# KiCad board panel.kicad_pcb (continued)
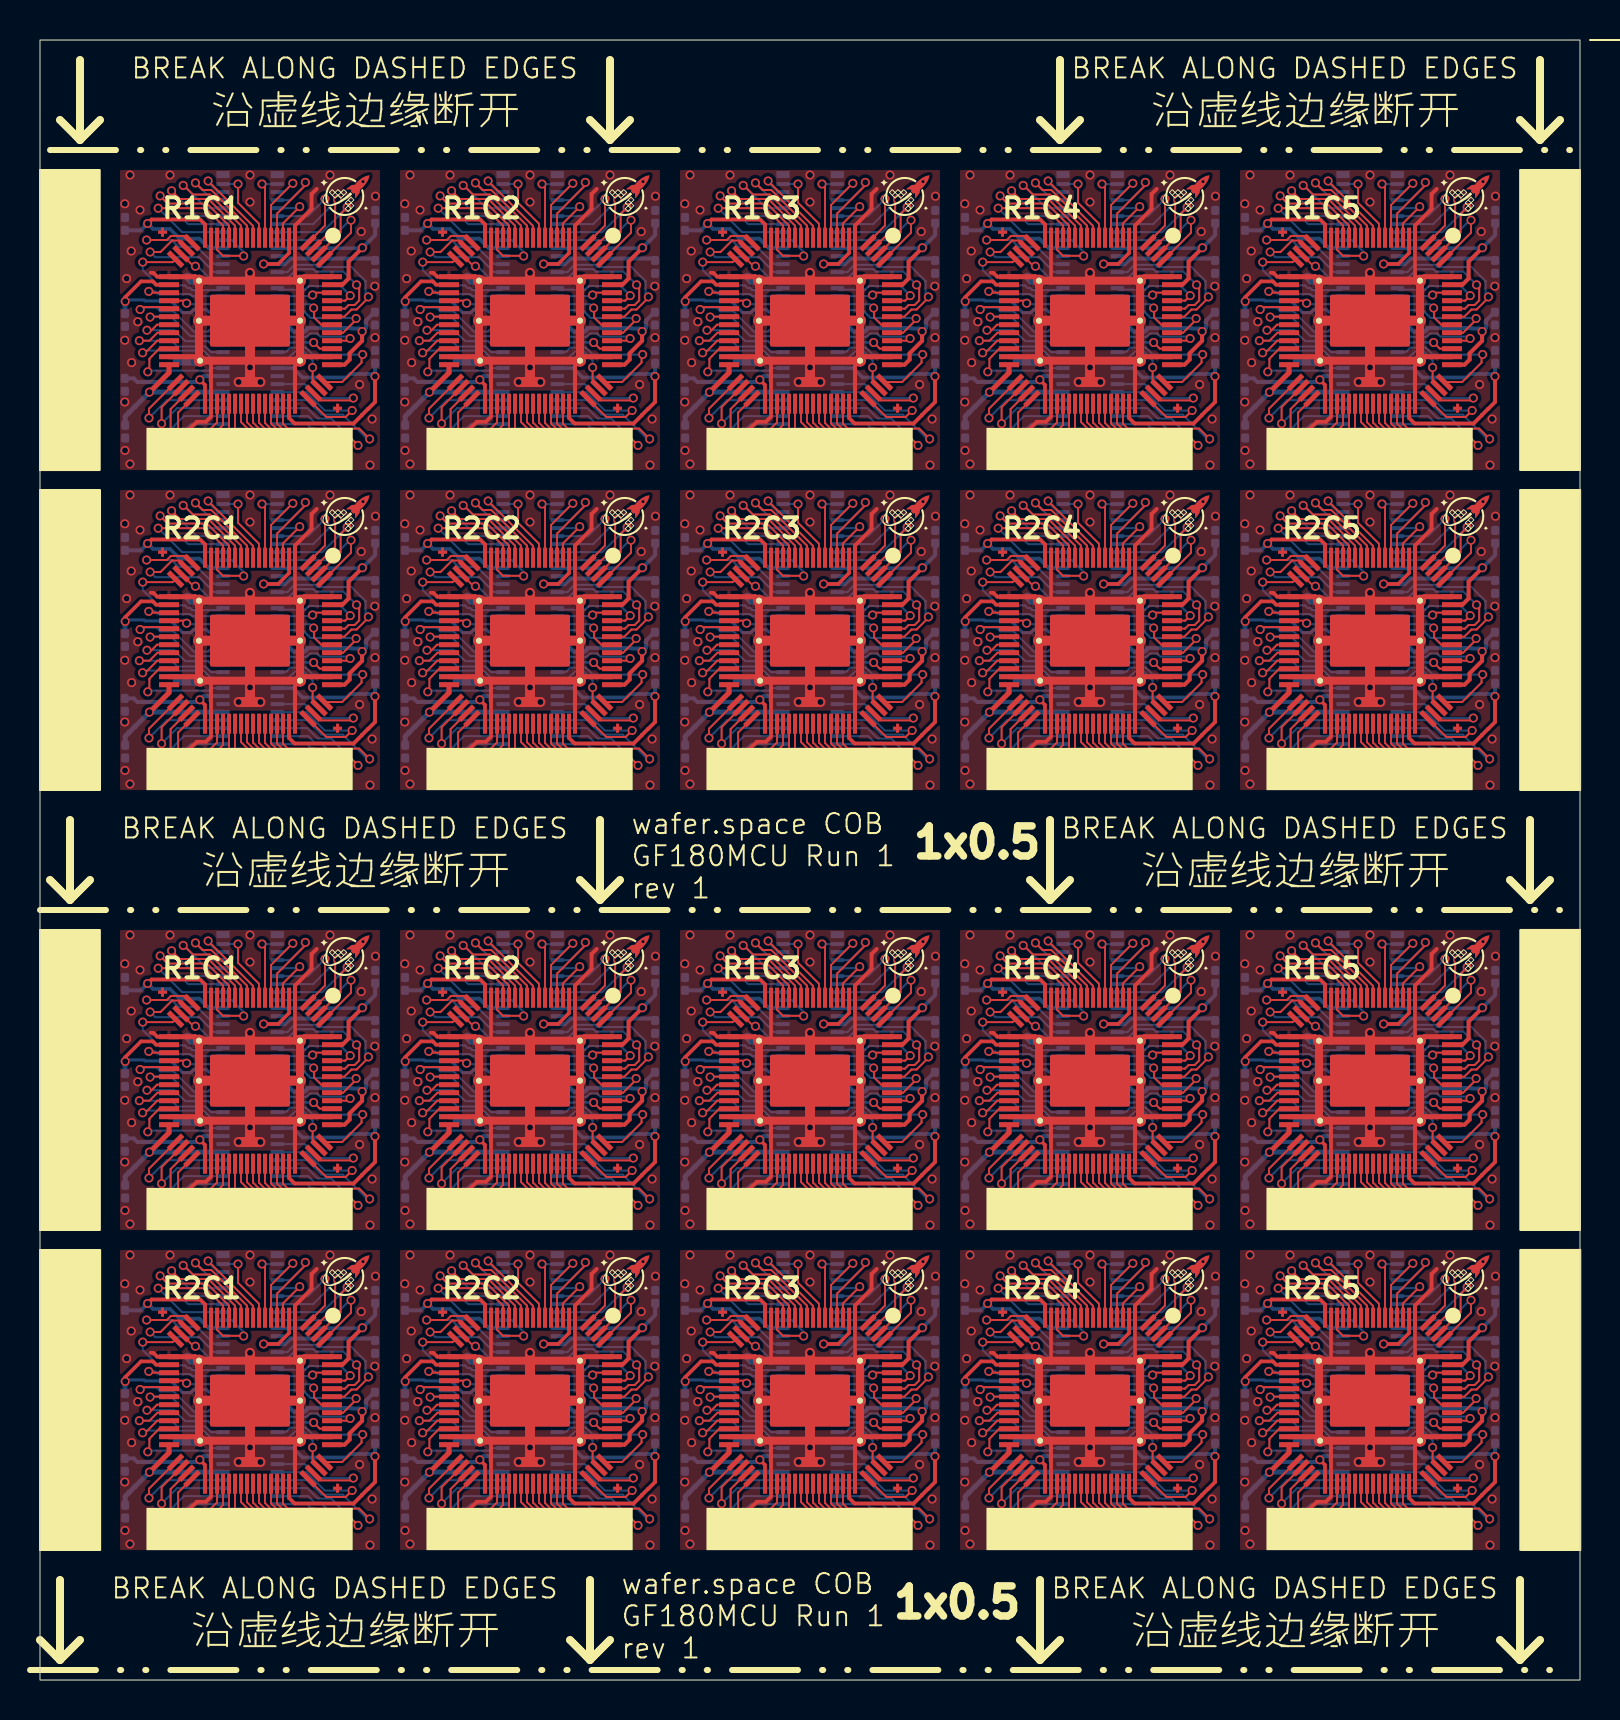
[diagram p0: board, top side]
## Routing (per net, layer and track width the routed paths; a pad name or vN(x,y) marks a point on that pad's centre or on a via; arc(x,y) is an arc through that point) (continued)
/bidir_43: length 125.5
  Top w0.1: 13.68,64.34 14.04,63.98 15.55,63.98 v1(15.66,64.1) ; 41.68,48.34 42.04,47.98 43.55,47.98 v1(43.66,48.1) ; v1(15.66,10.1) 15.55,9.98 14.04,9.98 13.68,10.34 ; 13.68,48.34 14.04,47.98 15.55,47.98 v1(15.66,48.1) ; v1(15.66,26.1) 15.55,25.98 14.04,25.98 13.68,26.34 ; v1(43.66,10.1) 43.55,9.98 42.04,9.98 41.68,10.34 ; U110.58 70.03,63.98 71.55,63.98 v1(71.66,64.1) ; v1(43.66,26.1) 43.55,25.98 42.04,25.98 41.68,26.34 ; v1(29.66,64.1) 29.55,63.98 28.04,63.98 27.68,64.34 ; v1(57.66,48.1) 57.55,47.98 56.04,47.98 55.68,48.34 ; v1(71.66,10.1) 71.55,9.98 70.03,9.98 U120.58 ; v1(57.66,26.1) 57.55,25.98 56.04,25.98 55.68,26.34 ; v1(71.66,26.1) 71.55,25.98 70.03,25.98 U110#2.58 ; v1(29.66,26.1) 29.55,25.98 28.04,25.98 27.68,26.34 ; 55.68,64.34 56.04,63.98 57.55,63.98 v1(57.66,64.1) ; v1(29.66,48.1) 29.55,47.98 28.04,47.98 27.68,48.34 ; 27.68,10.34 28.04,9.98 29.55,9.98 v1(29.66,10.1) ; U120#2.58 70.03,47.98 71.55,47.98 v1(71.66,48.1) ; 55.68,10.34 56.04,9.98 57.55,9.98 v1(57.66,10.1) ; 41.68,64.34 42.04,63.98 43.55,63.98 v1(43.66,64.1)
  Bottom w0.1: U107#2.26 55.24,64.8 55.93,64.1 v1(57.66,64.1) ; U105#2.26 41.24,64.8 41.93,64.1 v1(43.66,64.1) ; U103#2.26 27.24,26.8 27.93,26.1 v1(29.66,26.1) ; U107.26 55.24,26.8 55.93,26.1 v1(57.66,26.1) ; U113.26 27.24,48.8 27.93,48.1 v1(29.66,48.1) ; U111.26 13.24,48.8 13.93,48.1 v1(15.66,48.1) ; v1(71.66,48.1) 69.93,48.1 69.24,48.8 U119#2.26 ; U115#2.26 41.24,10.8 41.93,10.1 v1(43.66,10.1) ; U113#2.26 27.24,10.8 27.93,10.1 v1(29.66,10.1) ; U117#2.26 55.24,48.8 55.93,48.1 v1(57.66,48.1) ; U115.26 41.24,48.8 41.93,48.1 v1(43.66,48.1) ; v1(71.66,10.1) 69.93,10.1 69.24,10.8 U119.26 ; U103.26 27.24,64.8 27.93,64.1 v1(29.66,64.1) ; U101.26 13.24,26.8 13.93,26.1 v1(15.66,26.1) ; U105.26 41.24,26.8 41.93,26.1 v1(43.66,26.1) ; v1(71.66,64.1) 69.93,64.1 69.24,64.8 U109.26 ; U117.26 55.24,10.8 55.93,10.1 v1(57.66,10.1) ; v1(71.66,26.1) 69.93,26.1 69.24,26.8 U109#2.26 ; U101#2.26 13.24,64.8 13.93,64.1 v1(15.66,64.1) ; v1(15.66,10.1) 13.93,10.1 13.24,10.8 U111#2.26
/bidir_44: length 73
  Top w0.1: v1(69.63,49.62) 69.63,48.88 69.89,48.61 69.95,48.61 ; v1(69.63,11.62) 69.63,10.88 69.89,10.61 69.95,10.61 ; 27.95,26.61 27.89,26.61 27.63,26.88 v1(27.63,27.62) ; v1(27.63,65.62) 27.63,64.88 27.89,64.62 U104.59 ; U108#2.59 55.89,64.62 55.63,64.88 v1(55.63,65.62) ; v1(41.63,49.62) 41.63,48.88 41.89,48.61 41.95,48.61 ; v1(69.63,65.62) 69.63,64.88 69.89,64.62 U110.59 ; 13.95,10.61 13.89,10.61 13.63,10.88 v1(13.63,11.62) ; v1(69.63,27.62) 69.63,26.88 69.89,26.61 69.95,26.61 ; U106.59 41.89,64.62 41.63,64.88 v1(41.63,65.62) ; 55.95,10.61 55.89,10.61 55.63,10.88 v1(55.63,11.62) ; 27.95,10.61 27.89,10.61 27.63,10.88 v1(27.63,11.62) ; U102#2.59 13.89,64.62 13.63,64.88 v1(13.63,65.62) ; v1(55.63,27.62) 55.63,26.88 55.89,26.61 55.95,26.61 ; 41.95,10.61 41.89,10.61 41.63,10.88 v1(41.63,11.62) ; v1(13.63,49.62) 13.63,48.88 13.89,48.61 13.95,48.61 ; v1(13.63,27.62) 13.63,26.88 13.89,26.61 13.95,26.61 ; v1(55.63,49.62) 55.63,48.88 55.89,48.61 55.95,48.61 ; v1(41.63,27.62) 41.63,26.88 41.89,26.61 41.95,26.61 ; v1(27.63,49.62) 27.63,48.88 27.89,48.61 27.95,48.61
  Bottom w0.1: U113.23 26.32,50 26.75,50.42 27.19,50.42 27.63,49.98 v1(27.63,49.62) ; v1(41.63,49.62) 41.63,49.98 41.19,50.42 40.75,50.42 40.32,50 U115.23 ; U103.23 26.32,66 26.75,66.42 27.19,66.42 27.63,65.98 v1(27.63,65.62) ; v1(41.63,27.62) 41.63,27.98 41.19,28.42 40.75,28.42 40.32,28 U105.23 ; U117#2.23 54.32,50 54.75,50.42 55.19,50.42 55.63,49.98 v1(55.63,49.62) ; U119.23 68.33,12 68.75,12.42 69.19,12.42 69.63,11.98 v1(69.63,11.62) ; U109#2.23 68.33,28 68.75,28.42 69.19,28.42 69.63,27.98 v1(69.63,27.62) ; U101.23 12.32,28 12.75,28.42 13.19,28.42 13.63,27.98 v1(13.63,27.62) ; U107.23 54.32,28 54.75,28.42 55.19,28.42 55.63,27.98 v1(55.63,27.62) ; v1(41.63,65.62) 41.63,65.98 41.19,66.42 40.75,66.42 40.32,66 U105#2.23 ; U109.23 68.33,66 68.75,66.42 69.19,66.42 69.63,65.98 v1(69.63,65.62) ; U103#2.23 26.32,28 26.75,28.42 27.19,28.42 27.63,27.98 v1(27.63,27.62) ; U111#2.23 12.32,12 12.75,12.42 13.19,12.42 13.63,11.98 v1(13.63,11.62) ; U113#2.23 26.32,12 26.75,12.42 27.19,12.42 27.63,11.98 v1(27.63,11.62) ; U107#2.23 54.32,66 54.75,66.42 55.19,66.42 55.63,65.98 v1(55.63,65.62) ; U111.23 12.32,50 12.75,50.42 13.19,50.42 13.63,49.98 v1(13.63,49.62) ; v1(13.63,65.62) 13.63,65.98 13.19,66.42 12.75,66.42 12.32,66 U101#2.23 ; U117.23 54.32,12 54.75,12.42 55.19,12.42 55.63,11.98 v1(55.63,11.62) ; v1(41.63,11.62) 41.63,11.98 41.19,12.42 40.75,12.42 40.32,12 U115#2.23 ; U119#2.23 68.33,50 68.75,50.42 69.19,50.42 69.63,49.98 v1(69.63,49.62)
/bidir_45: length 143.7
  Top w0.1: v1(72.13,28.28) 72.08,28.22 72.08,27.88 71.11,26.9 70.33,26.9 70.31,26.89 U110#2.60 ; v1(72.13,12.28) 72.08,12.22 72.08,11.88 71.11,10.9 70.33,10.9 70.31,10.89 U120.60 ; v1(30.13,66.28) 30.08,66.22 30.08,65.88 29.1,64.9 28.32,64.9 28.32,64.89 U104.60 ; U112#2.60 14.32,10.89 14.32,10.9 15.1,10.9 16.08,11.88 16.08,12.22 v1(16.13,12.28) ; v1(44.13,66.28) 44.08,66.22 44.08,65.88 43.1,64.9 42.32,64.9 42.32,64.89 U106.60 ; v1(58.13,66.28) 58.08,66.22 58.08,65.88 57.1,64.9 56.32,64.9 56.32,64.89 U108#2.60 ; U116#2.60 42.32,10.89 42.32,10.9 43.1,10.9 44.08,11.88 44.08,12.22 v1(44.13,12.28) ; U104#2.60 28.32,26.89 28.32,26.9 29.1,26.9 30.08,27.88 30.08,28.22 v1(30.13,28.28) ; U118.60 56.32,48.89 56.32,48.9 57.1,48.9 58.08,49.88 58.08,50.22 v1(58.13,50.28) ; v1(44.13,28.28) 44.08,28.22 44.08,27.88 43.1,26.9 42.32,26.9 42.32,26.89 U106#2.60 ; U114#2.60 28.32,10.89 28.32,10.9 29.1,10.9 30.08,11.88 30.08,12.22 v1(30.13,12.28) ; v1(72.13,66.28) 72.08,66.22 72.08,65.88 71.11,64.9 70.33,64.9 70.31,64.89 U110.60 ; v1(58.13,28.28) 58.08,28.22 58.08,27.88 57.1,26.9 56.32,26.9 56.32,26.89 U108.60 ; v1(72.13,50.28) 72.08,50.22 72.08,49.88 71.11,48.9 70.33,48.9 70.31,48.89 U120#2.60 ; U102#2.60 14.32,64.89 14.32,64.9 15.1,64.9 16.08,65.88 16.08,66.22 v1(16.13,66.28) ; v1(44.13,50.28) 44.08,50.22 44.08,49.88 43.1,48.9 42.32,48.9 42.32,48.89 U116.60 ; v1(16.13,50.28) 16.08,50.22 16.08,49.88 15.1,48.9 14.32,48.9 14.32,48.89 U112.60 ; v1(58.13,12.28) 58.08,12.22 58.08,11.88 57.1,10.9 56.32,10.9 56.32,10.89 U118#2.60 ; v1(30.13,50.28) 30.08,50.22 30.08,49.88 29.1,48.9 28.32,48.9 28.32,48.89 U114.60 ; U102.60 14.32,26.89 14.32,26.9 15.1,26.9 16.08,27.88 16.08,28.22 v1(16.13,28.28)
  Bottom w0.1: v1(16.13,28.28) 13.63,28.28 13.3,28.61 13.28,28.61 13.27,28.62 12.52,28.62 12.29,28.39 11.87,28.39 ; v1(72.13,12.28) 69.64,12.28 69.3,12.61 69.28,12.61 69.27,12.62 68.52,12.62 68.3,12.39 67.87,12.39 ; v1(16.13,50.28) 13.63,50.28 13.3,50.61 13.28,50.61 13.27,50.62 12.52,50.62 12.29,50.39 11.87,50.39 ; 67.87,50.39 68.3,50.39 68.52,50.62 69.27,50.62 69.28,50.61 69.3,50.61 69.64,50.28 v1(72.13,50.28) ; U105#2.22 40.29,66.4 40.52,66.62 41.27,66.62 41.28,66.61 41.3,66.61 41.63,66.28 v1(44.13,66.28) ; U101#2.22 12.29,66.4 12.52,66.62 13.27,66.62 13.28,66.61 13.3,66.61 13.63,66.28 v1(16.13,66.28) ; 67.87,28.39 68.3,28.39 68.52,28.62 69.27,28.62 69.28,28.61 69.3,28.61 69.64,28.28 v1(72.13,28.28) ; v1(44.13,50.28) 41.63,50.28 41.3,50.61 41.28,50.61 41.27,50.62 40.52,50.62 40.29,50.39 39.87,50.39 ; 39.87,12.39 40.29,12.39 40.52,12.62 41.27,12.62 41.28,12.61 41.3,12.61 41.63,12.28 v1(44.13,12.28) ; 25.87,28.39 26.29,28.39 26.52,28.62 27.27,28.62 27.28,28.61 27.3,28.61 27.63,28.28 v1(30.13,28.28) ; 11.87,12.39 12.29,12.39 12.52,12.62 13.27,12.62 13.28,12.61 13.3,12.61 13.63,12.28 v1(16.13,12.28) ; v1(58.13,50.28) 55.63,50.28 55.3,50.61 55.28,50.61 55.27,50.62 54.52,50.62 54.29,50.39 53.87,50.39 ; v1(58.13,28.28) 55.63,28.28 55.3,28.61 55.28,28.61 55.27,28.62 54.52,28.62 54.29,28.39 53.87,28.39 ; v1(58.13,12.28) 55.63,12.28 55.3,12.61 55.28,12.61 55.27,12.62 54.52,12.62 54.29,12.39 53.87,12.39 ; v1(58.13,66.28) 55.63,66.28 55.3,66.61 55.28,66.61 55.27,66.62 54.52,66.62 54.29,66.4 U107#2.22 ; v1(30.13,12.28) 27.63,12.28 27.3,12.61 27.28,12.61 27.27,12.62 26.52,12.62 26.29,12.39 25.87,12.39 ; v1(30.13,50.28) 27.63,50.28 27.3,50.61 27.28,50.61 27.27,50.62 26.52,50.62 26.29,50.39 25.87,50.39 ; v1(44.13,28.28) 41.63,28.28 41.3,28.61 41.28,28.61 41.27,28.62 40.52,28.62 40.29,28.39 39.87,28.39 ; U109.22 68.3,66.4 68.52,66.62 69.27,66.62 69.28,66.61 69.3,66.61 69.64,66.28 v1(72.13,66.28) ; U103.22 26.29,66.4 26.52,66.62 27.27,66.62 27.28,66.61 27.3,66.61 27.63,66.28 v1(30.13,66.28)
/clk: length 131.9
  Top w0.1: v1(57.55,34.99) 57.55,34.36 U108.1 ; U108#2.1 57.55,72.37 v1(57.55,72.99) ; U110#2.1 71.55,34.36 v1(71.55,34.99) ; v1(29.55,34.99) 29.55,34.36 U104#2.1 ; v1(57.55,18.99) 57.55,18.36 U118#2.1 ; U112.1 15.55,56.36 v1(15.55,56.99) ; v1(71.55,56.99) 71.55,56.36 U120#2.1 ; v1(15.55,72.99) 15.55,72.37 U102#2.1 ; U114.1 29.55,56.36 v1(29.55,56.99) ; v1(43.55,34.99) 43.55,34.36 U106#2.1 ; U106.1 43.55,72.37 v1(43.55,72.99) ; v1(29.55,18.99) 29.55,18.36 U114#2.1 ; U112#2.1 15.55,18.36 v1(15.55,18.99) ; v1(29.55,72.99) 29.55,72.37 U104.1 ; v1(15.55,34.99) 15.55,34.36 U102.1 ; v1(43.55,56.99) 43.55,56.36 U116.1 ; v1(57.55,56.99) 57.55,56.36 U118.1 ; v1(71.55,72.99) 71.55,72.37 U110.1 ; U116#2.1 43.55,18.36 v1(43.55,18.99) ; U120.1 71.55,18.36 v1(71.55,18.99)
  Bottom w0.1: U113#2.8 28.49,18 29.49,18.99 v1(29.55,18.99) ; v1(29.55,34.99) 29.49,34.99 28.49,34 U103#2.8 ; v1(43.55,34.99) 43.49,34.99 42.49,34 U105.8 ; U115#2.8 42.49,18 43.49,18.99 v1(43.55,18.99) ; U115.8 42.49,56 43.49,56.99 v1(43.55,56.99) ; v1(57.55,34.99) 57.49,34.99 56.49,34 U107.8 ; v1(15.55,34.99) 15.49,34.99 14.49,34 U101.8 ; U111#2.8 14.49,18 15.49,18.99 v1(15.55,18.99) ; U103.8 28.49,72 29.49,72.99 v1(29.55,72.99) ; v1(57.55,72.99) 57.49,72.99 56.49,72 U107#2.8 ; v1(71.55,18.99) 71.49,18.99 70.5,18 U119.8 ; v1(43.55,72.99) 43.49,72.99 42.49,72 U105#2.8 ; v1(57.55,56.99) 57.49,56.99 56.49,56 U117#2.8 ; U117.8 56.49,18 57.49,18.99 v1(57.55,18.99) ; v1(71.55,56.99) 71.49,56.99 70.5,56 U119#2.8 ; v1(15.55,56.99) 15.49,56.99 14.49,56 U111.8 ; v1(71.55,34.99) 71.49,34.99 70.5,34 U109#2.8 ; U113.8 28.49,56 29.49,56.99 v1(29.55,56.99) ; v1(15.55,72.99) 15.49,72.99 14.49,72 U101#2.8 ; v1(71.55,72.99) 71.49,72.99 70.5,72 U109.8
/in_0: length 163.7
  Top w0.1: v1(16.42,15.15) 16.42,15.11 15.83,14.53 15.57,14.53 15.21,14.17 U112#2.67 ; U120.67 71.22,14.17 71.58,14.53 71.83,14.53 72.42,15.11 v1(72.42,15.15) ; v1(30.42,53.15) 30.42,53.11 29.83,52.53 29.57,52.53 29.21,52.17 U114.67 ; v1(72.42,69.15) 72.42,69.11 71.83,68.53 71.58,68.53 71.22,68.16 U110.67 ; U112.67 15.21,52.17 15.57,52.53 15.83,52.53 16.42,53.11 v1(16.42,53.15) ; v1(72.42,31.15) 72.42,31.11 71.83,30.53 71.58,30.53 71.22,30.17 U110#2.67 ; v1(58.42,15.15) 58.42,15.11 57.83,14.53 57.57,14.53 57.21,14.17 U118#2.67 ; U108.67 57.21,30.17 57.57,30.53 57.83,30.53 58.42,31.11 v1(58.42,31.15) ; v1(16.42,69.15) 16.42,69.11 15.83,68.53 15.57,68.53 15.21,68.16 U102#2.67 ; U104#2.67 29.21,30.17 29.57,30.53 29.83,30.53 30.42,31.11 v1(30.42,31.15) ; U118.67 57.21,52.17 57.57,52.53 57.83,52.53 58.42,53.11 v1(58.42,53.15) ; U114#2.67 29.21,14.17 29.57,14.53 29.83,14.53 30.42,15.11 v1(30.42,15.15) ; U104.67 29.21,68.16 29.57,68.53 29.83,68.53 30.42,69.11 v1(30.42,69.15) ; U108#2.67 57.21,68.16 57.57,68.53 57.83,68.53 58.42,69.11 v1(58.42,69.15) ; v1(44.42,53.15) 44.42,53.11 43.83,52.53 43.57,52.53 43.21,52.17 U116.67 ; v1(44.42,31.15) 44.42,31.11 43.83,30.53 43.57,30.53 43.21,30.17 U106#2.67 ; U102.67 15.21,30.17 15.57,30.53 15.83,30.53 16.42,31.11 v1(16.42,31.15) ; v1(72.42,53.15) 72.42,53.11 71.83,52.53 71.58,52.53 71.22,52.17 U120#2.67 ; v1(44.42,15.15) 44.42,15.11 43.83,14.53 43.57,14.53 43.21,14.17 U116#2.67 ; U106.67 43.21,68.16 43.57,68.53 43.83,68.53 44.42,69.11 v1(44.42,69.15)
  Bottom w0.1: 53.87,16.39 54.37,16.39 54.73,16.76 55.74,16.76 55.85,16.65 57.57,16.65 58.28,15.94 58.28,15.29 v1(58.42,15.15) 58.42,15.34 ; 16.42,15.34 v1(16.42,15.15) 16.28,15.29 16.28,15.94 15.57,16.65 13.85,16.65 13.74,16.76 12.73,16.76 12.37,16.39 11.87,16.39 ; U105#2.12 40.37,70.4 40.73,70.76 41.74,70.76 41.85,70.65 43.57,70.65 44.28,69.94 44.28,69.29 v1(44.42,69.15) 44.42,69.34 ; U103.12 26.37,70.4 26.73,70.76 27.74,70.76 27.85,70.65 29.57,70.65 30.28,69.94 30.28,69.29 v1(30.42,69.15) 30.42,69.34 ; 39.87,16.39 40.37,16.39 40.73,16.76 41.74,16.76 41.85,16.65 43.57,16.65 44.28,15.94 44.28,15.29 v1(44.42,15.15) 44.42,15.34 ; 67.87,16.39 68.37,16.39 68.73,16.76 69.74,16.76 69.85,16.65 71.57,16.65 72.28,15.94 72.28,15.29 v1(72.42,15.15) 72.42,15.34 ; 16.42,31.34 v1(16.42,31.15) 16.28,31.29 16.28,31.94 15.57,32.65 13.85,32.65 13.74,32.76 12.73,32.76 12.37,32.39 11.87,32.39 ; 72.42,53.34 v1(72.42,53.15) 72.28,53.29 72.28,53.94 71.57,54.65 69.85,54.65 69.74,54.76 68.73,54.76 68.37,54.39 67.87,54.39 ; 53.87,54.39 54.37,54.39 54.73,54.76 55.74,54.76 55.85,54.65 57.57,54.65 58.28,53.94 58.28,53.29 v1(58.42,53.15) 58.42,53.34 ; 39.87,32.39 40.37,32.39 40.73,32.76 41.74,32.76 41.85,32.65 43.57,32.65 44.28,31.94 44.28,31.29 v1(44.42,31.15) 44.42,31.34 ; 16.42,69.34 v1(16.42,69.15) 16.28,69.29 16.28,69.94 15.57,70.65 13.85,70.65 13.74,70.76 12.73,70.76 12.37,70.4 U101#2.12 ; 25.87,32.39 26.37,32.39 26.73,32.76 27.74,32.76 27.85,32.65 29.57,32.65 30.28,31.94 30.28,31.29 v1(30.42,31.15) 30.42,31.34 ; 39.87,54.39 40.37,54.39 40.73,54.76 41.74,54.76 41.85,54.65 43.57,54.65 44.28,53.94 44.28,53.29 v1(44.42,53.15) 44.42,53.34 ; U109.12 68.37,70.4 68.73,70.76 69.74,70.76 69.85,70.65 71.57,70.65 72.28,69.94 72.28,69.29 v1(72.42,69.15) 72.42,69.34 ; 16.42,53.34 v1(16.42,53.15) 16.28,53.29 16.28,53.94 15.57,54.65 13.85,54.65 13.74,54.76 12.73,54.76 12.37,54.39 11.87,54.39 ; U107#2.12 54.37,70.4 54.73,70.76 55.74,70.76 55.85,70.65 57.57,70.65 58.28,69.94 58.28,69.29 v1(58.42,69.15) 58.42,69.34 ; 25.87,16.39 26.37,16.39 26.73,16.76 27.74,16.76 27.85,16.65 29.57,16.65 30.28,15.94 30.28,15.29 v1(30.42,15.15) 30.42,15.34 ; 72.42,31.34 v1(72.42,31.15) 72.28,31.29 72.28,31.94 71.57,32.65 69.85,32.65 69.74,32.76 68.73,32.76 68.37,32.39 67.87,32.39 ; 53.87,32.39 54.37,32.39 54.73,32.76 55.74,32.76 55.85,32.65 57.57,32.65 58.28,31.94 58.28,31.29 v1(58.42,31.15) 58.42,31.34 ; 25.87,54.39 26.37,54.39 26.73,54.76 27.74,54.76 27.85,54.65 29.57,54.65 30.28,53.94 30.28,53.29 v1(30.42,53.15) 30.42,53.34
/in_1: length 137.8
  Top w0.1: v1(29.83,53.76) 29.85,53.76 29.96,53.64 29.96,52.98 29.73,52.75 29.43,52.75 29.25,52.56 U114.68 ; v1(15.83,53.76) 15.85,53.76 15.96,53.64 15.96,52.98 15.73,52.75 15.43,52.75 15.25,52.56 U112.68 ; U120#2.68 71.25,52.56 71.43,52.75 71.73,52.75 71.96,52.98 71.96,53.64 71.85,53.76 v1(71.83,53.76) ; U116.68 43.25,52.56 43.43,52.75 43.73,52.75 43.96,52.98 43.96,53.64 43.85,53.76 v1(43.83,53.76) ; U118.68 57.25,52.56 57.43,52.75 57.73,52.75 57.96,52.98 57.96,53.64 57.85,53.76 v1(57.83,53.76) ; v1(29.83,15.76) 29.85,15.76 29.96,15.64 29.96,14.98 29.73,14.75 29.43,14.75 29.25,14.56 U114#2.68 ; U106.68 43.25,68.56 43.43,68.75 43.73,68.75 43.96,68.98 43.96,69.64 43.85,69.76 v1(43.83,69.76) ; U104.68 29.25,68.56 29.43,68.75 29.73,68.75 29.96,68.98 29.96,69.64 29.85,69.76 v1(29.83,69.76) ; v1(15.83,15.76) 15.85,15.76 15.96,15.64 15.96,14.98 15.73,14.75 15.43,14.75 15.25,14.56 U112#2.68 ; U120.68 71.25,14.56 71.43,14.75 71.73,14.75 71.96,14.98 71.96,15.64 71.85,15.76 v1(71.83,15.76) ; v1(43.83,31.76) 43.85,31.76 43.96,31.64 43.96,30.98 43.73,30.75 43.43,30.75 43.25,30.56 U106#2.68 ; v1(71.83,69.76) 71.85,69.76 71.96,69.64 71.96,68.98 71.73,68.75 71.43,68.75 71.25,68.56 U110.68 ; U118#2.68 57.25,14.56 57.43,14.75 57.73,14.75 57.96,14.98 57.96,15.64 57.85,15.76 v1(57.83,15.76) ; U108.68 57.25,30.56 57.43,30.75 57.73,30.75 57.96,30.98 57.96,31.64 57.85,31.76 v1(57.83,31.76) ; v1(57.83,69.76) 57.85,69.76 57.96,69.64 57.96,68.98 57.73,68.75 57.43,68.75 57.25,68.56 U108#2.68 ; v1(29.83,31.76) 29.85,31.76 29.96,31.64 29.96,30.98 29.73,30.75 29.43,30.75 29.25,30.56 U104#2.68 ; v1(15.83,31.76) 15.85,31.76 15.96,31.64 15.96,30.98 15.73,30.75 15.43,30.75 15.25,30.56 U102.68 ; v1(43.83,15.76) 43.85,15.76 43.96,15.64 43.96,14.98 43.73,14.75 43.43,14.75 43.25,14.56 U116#2.68 ; v1(15.83,69.76) 15.85,69.76 15.96,69.64 15.96,68.98 15.73,68.75 15.43,68.75 15.25,68.56 U102#2.68 ; v1(71.83,31.76) 71.85,31.76 71.96,31.64 71.96,30.98 71.73,30.75 71.43,30.75 71.25,30.56 U110#2.68
  Bottom w0.1: v1(15.83,53.76) 15.17,54.42 13.79,54.42 13.67,54.54 12.84,54.54 12.29,54 U111.13 ; U103#2.13 26.29,32 26.84,32.54 27.67,32.54 27.79,32.42 29.17,32.42 v1(29.83,31.76) ; U101.13 12.29,32 12.84,32.54 13.67,32.54 13.79,32.42 15.17,32.42 v1(15.83,31.76) ; U105#2.13 40.29,70 40.84,70.54 41.67,70.54 41.79,70.42 43.17,70.42 v1(43.83,69.76) ; v1(29.83,53.76) 29.17,54.42 27.79,54.42 27.67,54.54 26.84,54.54 26.29,54 U113.13 ; v1(57.83,69.76) 57.17,70.42 55.79,70.42 55.67,70.54 54.84,70.54 54.29,70 U107#2.13 ; U119.13 68.3,16 68.84,16.54 69.67,16.54 69.79,16.42 71.17,16.42 v1(71.83,15.76) ; v1(57.83,53.76) 57.17,54.42 55.79,54.42 55.67,54.54 54.84,54.54 54.29,54 U117#2.13 ; v1(57.83,31.76) 57.17,32.42 55.79,32.42 55.67,32.54 54.84,32.54 54.29,32 U107.13 ; v1(71.83,53.76) 71.17,54.42 69.79,54.42 69.67,54.54 68.84,54.54 68.3,54 U119#2.13 ; v1(29.83,69.76) 29.17,70.42 27.79,70.42 27.67,70.54 26.84,70.54 26.29,70 U103.13 ; U109.13 68.3,70 68.84,70.54 69.67,70.54 69.79,70.42 71.17,70.42 v1(71.83,69.76) ; U115#2.13 40.29,16 40.84,16.54 41.67,16.54 41.79,16.42 43.17,16.42 v1(43.83,15.76) ; U101#2.13 12.29,70 12.84,70.54 13.67,70.54 13.79,70.42 15.17,70.42 v1(15.83,69.76) ; v1(15.83,15.76) 15.17,16.42 13.79,16.42 13.67,16.54 12.84,16.54 12.29,16 U111#2.13 ; U109#2.13 68.3,32 68.84,32.54 69.67,32.54 69.79,32.42 71.17,32.42 v1(71.83,31.76) ; U117.13 54.29,16 54.84,16.54 55.67,16.54 55.79,16.42 57.17,16.42 v1(57.83,15.76) ; U115.13 40.29,54 40.84,54.54 41.67,54.54 41.79,54.42 43.17,54.42 v1(43.83,53.76) ; v1(29.83,15.76) 29.17,16.42 27.79,16.42 27.67,16.54 26.84,16.54 26.29,16 U113#2.13 ; U105.13 40.29,32 40.84,32.54 41.67,32.54 41.79,32.42 43.17,32.42 v1(43.83,31.76)
/in_2: length 99.5
  Top w0.1: v1(57.51,53.22) 57.26,52.97 U118.69 ; v1(29.51,69.22) 29.26,68.97 U104.69 ; v1(43.51,15.22) 43.26,14.97 U116#2.69 ; v1(71.51,15.22) 71.26,14.97 U120.69 ; v1(15.51,53.22) 15.26,52.97 U112.69 ; v1(15.51,31.22) 15.26,30.97 U102.69 ; U110#2.69 71.26,30.97 v1(71.51,31.22) ; U114.69 29.26,52.97 v1(29.51,53.22) ; v1(15.51,15.22) 15.26,14.97 U112#2.69 ; U102#2.69 15.26,68.97 v1(15.51,69.22) ; v1(29.51,15.22) 29.26,14.97 U114#2.69 ; v1(43.51,31.22) 43.26,30.97 U106#2.69 ; U116.69 43.26,52.97 v1(43.51,53.22) ; U108#2.69 57.26,68.97 v1(57.51,69.22) ; v1(43.51,69.22) 43.26,68.97 U106.69 ; U120#2.69 71.26,52.97 v1(71.51,53.22) ; v1(57.51,15.22) 57.26,14.97 U118#2.69 ; v1(29.51,31.22) 29.26,30.97 U104#2.69 ; U110.69 71.26,68.97 v1(71.51,69.22) ; U108.69 57.26,30.97 v1(57.51,31.22)
  Bottom w0.1: U109.14 67.95,69.51 69.19,69.51 69.19,69.52 69.26,69.52 69.44,69.7 71.03,69.7 v1(71.51,69.22) ; U119#2.14 67.95,53.51 69.19,53.51 69.19,53.52 69.26,53.52 69.44,53.7 71.03,53.7 v1(71.51,53.22) ; v1(71.51,15.22) 71.03,15.7 69.44,15.7 69.26,15.52 69.19,15.52 69.19,15.51 67.95,15.51 U119.14 ; U111.14 11.95,53.51 13.19,53.51 13.19,53.52 13.26,53.52 13.44,53.7 15.03,53.7 v1(15.51,53.22) ; v1(43.51,53.22) 43.03,53.7 41.44,53.7 41.26,53.52 41.19,53.52 41.19,53.51 39.95,53.51 U115.14 ; U101.14 11.95,31.51 13.19,31.51 13.19,31.52 13.26,31.52 13.44,31.7 15.03,31.7 v1(15.51,31.22) ; v1(15.51,69.22) 15.03,69.7 13.44,69.7 13.26,69.52 13.19,69.52 13.19,69.51 11.95,69.51 U101#2.14 ; U103#2.14 25.95,31.51 27.19,31.51 27.19,31.52 27.26,31.52 27.44,31.7 29.03,31.7 v1(29.51,31.22) ; U111#2.14 11.95,15.51 13.19,15.51 13.19,15.52 13.26,15.52 13.44,15.7 15.03,15.7 v1(15.51,15.22) ; v1(29.51,15.22) 29.03,15.7 27.44,15.7 27.26,15.52 27.19,15.52 27.19,15.51 25.95,15.51 U113#2.14 ; v1(43.51,69.22) 43.03,69.7 41.44,69.7 41.26,69.52 41.19,69.52 41.19,69.51 39.95,69.51 U105#2.14 ; U117#2.14 53.95,53.51 55.19,53.51 55.19,53.52 55.26,53.52 55.44,53.7 57.03,53.7 v1(57.51,53.22) ; v1(57.51,15.22) 57.03,15.7 55.44,15.7 55.26,15.52 55.19,15.52 55.19,15.51 53.95,15.51 U117.14 ; U113.14 25.95,53.51 27.19,53.51 27.19,53.52 27.26,53.52 27.44,53.7 29.03,53.7 v1(29.51,53.22) ; v1(43.51,15.22) 43.03,15.7 41.44,15.7 41.26,15.52 41.19,15.52 41.19,15.51 39.95,15.51 U115#2.14 ; v1(57.51,31.22) 57.03,31.7 55.44,31.7 55.26,31.52 55.19,31.52 55.19,31.51 53.95,31.51 U107.14 ; v1(71.51,31.22) 71.03,31.7 69.44,31.7 69.26,31.52 69.19,31.52 69.19,31.51 67.95,31.51 U109#2.14 ; v1(43.51,31.22) 43.03,31.7 41.44,31.7 41.26,31.52 41.19,31.52 41.19,31.51 39.95,31.51 U105.14 ; U103.14 25.95,69.51 27.19,69.51 27.19,69.52 27.26,69.52 27.44,69.7 29.03,69.7 v1(29.51,69.22) ; v1(57.51,69.22) 57.03,69.7 55.44,69.7 55.26,69.52 55.19,69.52 55.19,69.51 53.95,69.51 U107#2.14
/in_3: length 56.1
  Top w0.1: U118#2.70 55.74,15.36 v1(55.63,15.25) ; U116#2.70 41.74,15.36 v1(41.63,15.25) ; U120#2.70 69.75,53.36 v1(69.63,53.25) ; U112#2.70 13.74,15.36 v1(13.63,15.25) ; U110.70 69.75,69.37 v1(69.63,69.25) ; U120.70 69.75,15.36 v1(69.63,15.25) ; v1(41.63,31.25) 41.74,31.36 U106#2.70 ; U108#2.70 55.74,69.37 v1(55.63,69.25) ; U106.70 41.74,69.37 v1(41.63,69.25) ; U108.70 55.74,31.36 v1(55.63,31.25) ; v1(27.63,69.25) 27.74,69.37 U104.70 ; U114#2.70 27.74,15.36 v1(27.63,15.25) ; U116.70 41.74,53.36 v1(41.63,53.25) ; U112.70 13.74,53.36 v1(13.63,53.25) ; U104#2.70 27.74,31.36 v1(27.63,31.25) ; U102.70 13.74,31.36 v1(13.63,31.25) ; v1(27.63,53.25) 27.74,53.36 U114.70 ; v1(13.63,69.25) 13.74,69.37 U102#2.70 ; v1(69.63,31.25) 69.75,31.36 U110#2.70 ; v1(55.63,53.25) 55.74,53.36 U118.70
  Bottom w0.1: v1(55.63,15.25) 55.57,15.2 U117.15 ; U101#2.15 13.57,69.19 v1(13.63,69.25) ; U107#2.15 55.57,69.19 v1(55.63,69.25) ; U107.15 55.57,31.2 v1(55.63,31.25) ; U101.15 13.57,31.2 v1(13.63,31.25) ; v1(69.63,53.25) 69.58,53.2 U119#2.15 ; v1(27.63,31.25) 27.57,31.2 U103#2.15 ; v1(13.63,53.25) 13.57,53.2 U111.15 ; U109.15 69.58,69.19 v1(69.63,69.25) ; U113#2.15 27.57,15.2 v1(27.63,15.25) ; U105.15 41.57,31.2 v1(41.63,31.25) ; U109#2.15 69.58,31.2 v1(69.63,31.25) ; U103.15 27.57,69.19 v1(27.63,69.25) ; v1(13.63,15.25) 13.57,15.2 U111#2.15 ; v1(27.63,53.25) 27.57,53.2 U113.15 ; v1(41.63,69.25) 41.57,69.19 U105#2.15 ; U119.15 69.58,15.2 v1(69.63,15.25) ; v1(55.63,53.25) 55.57,53.2 U117#2.15 ; U115#2.15 41.57,15.2 v1(41.63,15.25) ; v1(41.63,53.25) 41.57,53.2 U115.15
/rst_n: length 138.2
  Top w0.1: U108.2 57.03,34.39 57.03,35.31 v1(57.36,35.64) ; v1(15.36,57.64) 15.03,57.31 15.03,56.39 U112.2 ; U112#2.2 15.03,18.39 15.03,19.31 v1(15.36,19.64) ; v1(29.36,57.64) 29.03,57.31 29.03,56.39 U114.2 ; v1(71.36,73.64) 71.03,73.31 71.03,72.4 69.95,71.31 ; U116#2.2 43.03,18.39 43.03,19.31 v1(43.36,19.64) ; U120#2.2 71.03,56.39 71.03,57.31 v1(71.36,57.64) ; U120.2 71.03,18.39 71.03,19.31 v1(71.36,19.64) ; 41.95,71.31 43.03,72.4 43.03,73.31 v1(43.36,73.64) ; v1(43.36,57.64) 43.03,57.31 43.03,56.39 U116.2 ; U104#2.2 29.03,34.39 29.03,35.31 v1(29.36,35.64) ; v1(57.36,57.64) 57.03,57.31 57.03,56.39 U118.2 ; v1(15.36,35.64) 15.03,35.31 15.03,34.39 U102.2 ; v1(57.36,73.64) 57.03,73.31 57.03,72.4 55.95,71.31 ; U106#2.2 43.03,34.39 43.03,35.31 v1(43.36,35.64) ; v1(29.36,19.64) 29.03,19.31 29.03,18.39 U114#2.2 ; U110#2.2 71.03,34.39 71.03,35.31 v1(71.36,35.64) ; v1(29.36,73.64) 29.03,73.31 29.03,72.4 27.95,71.31 ; v1(57.36,19.64) 57.03,19.31 57.03,18.39 U118#2.2 ; v1(15.36,73.64) 15.03,73.31 15.03,72.4 13.95,71.31
  Bottom w0.1: v1(71.36,35.64) 70.12,34.39 67.87,34.39 ; 39.87,34.39 42.12,34.39 v1(43.36,35.64) ; v1(57.36,57.64) 56.12,56.39 53.87,56.39 ; v1(71.36,73.64) 70.12,72.4 U109.7 ; 39.87,18.39 42.12,18.39 v1(43.36,19.64) ; 25.87,18.39 28.12,18.39 v1(29.36,19.64) ; v1(57.36,73.64) 56.12,72.4 U107#2.7 ; v1(15.36,19.64) 14.12,18.39 11.87,18.39 ; v1(71.36,19.64) 70.12,18.39 67.87,18.39 ; 53.87,18.39 56.12,18.39 v1(57.36,19.64) ; v1(15.36,35.64) 14.12,34.39 11.87,34.39 ; v1(57.36,35.64) 56.12,34.39 53.87,34.39 ; v1(29.36,73.64) 28.12,72.4 U103.7 ; 67.87,56.39 70.12,56.39 v1(71.36,57.64) ; v1(29.36,35.64) 28.12,34.39 25.87,34.39 ; v1(29.36,57.64) 28.12,56.39 25.87,56.39 ; v1(43.36,73.64) 42.12,72.4 U105#2.7 ; 11.87,56.39 14.12,56.39 v1(15.36,57.64) ; U101#2.7 14.12,72.4 v1(15.36,73.64) ; v1(43.36,57.64) 42.12,56.39 39.87,56.39
